# Altium PCB STM32MP25XXAK_LPDDR4.PcbDoc (part 6 of 6)
Units mm, origin at the board's own origin, x right, y up, seen from the top; angles counter-clockwise.
Board outline 120 x 79.6 mm, 4 copper layers (Top Layer, Signal Layer 1, Signal Layer 2, Bottom Layer), stack 1.614 mm thick; 190 components, 143 nets, 1208 pads, 757 vias.
Unrouted connection lines stored in the file: 3.
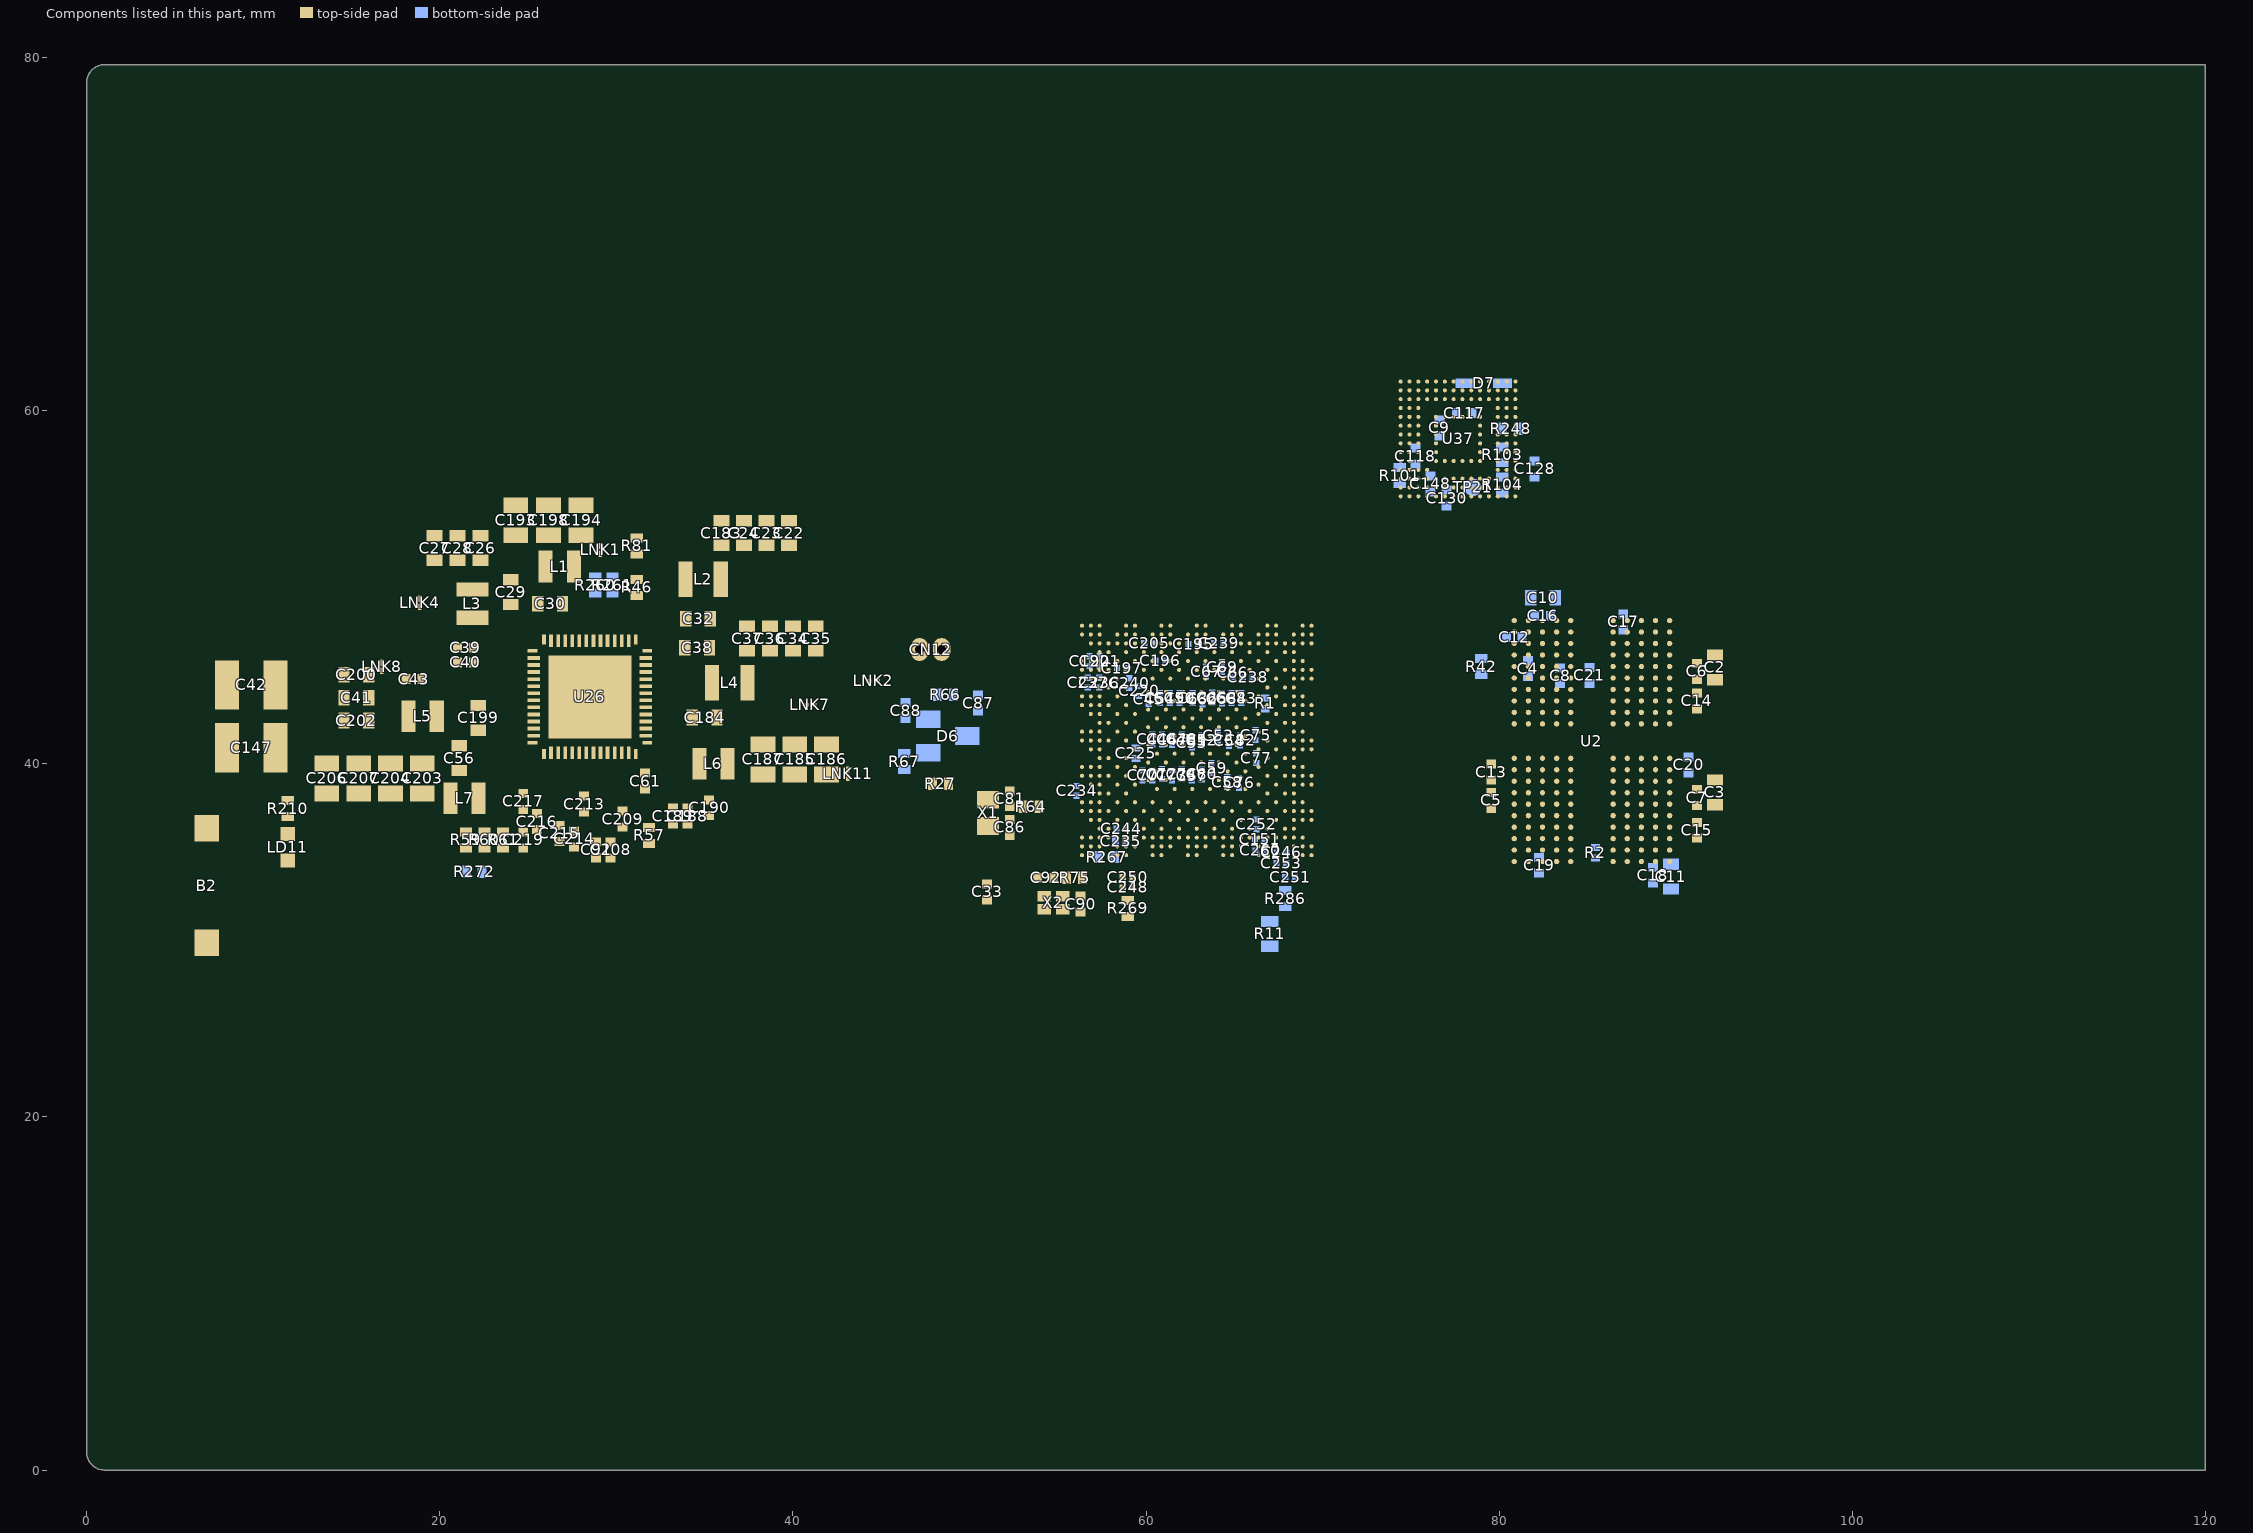
[diagram p8: the components of this part, seen from the top]

## Polygon pours and split planes (outlines as drawn) (continued)
5V_STLK on Signal Layer 2 "5V_STLK_L03_P051" (solid, pour order 51): 11.875,50.635 37.435,50.635 37.475,50.595 37.475,31.99 14.15,31.99 11.911,34.229
GND on Top Layer "GND_L01_P053" (solid, remove dead copper, pour order 53): 0,79.797 120,79.797 120,0.197 0,0.197
5V_STLK on Top Layer "5V_VIN" (solid, pour order 17): 22.51,43.62 23.167,43.62 23.35,43.803 23.35,43.463 22.867,42.98 22.51,42.98
VDDCPU on Top Layer "I_SENS_VDDCPU_P" (solid, pour order 18): 17.812,51.845 17.812,49.998 18.335,49.475 22.75,49.475 22.745,49.48 22.745,51.845
VDDCORE on Top Layer "I_SENS_VDDCORE_P" (solid, pour order 19): 41.007,52.695 43.889,49.813 43.889,43.586 43.894,43.581 42.44,43.581 41.895,44.126 41.895,48.827 41.522,49.2 39.875,49.2 35.515,49.2 35.505,52.695
VDDGPU on Top Layer "I_SENS_VDDGPU_P" (solid, pour order 20): 41.603,43.6 41.745,43.742 41.745,46.72 37.025,46.72 37.025,43.6
VDDIO on Top Layer "VDDIO" (solid, pour order 22): 30.995,46.77 30.995,48.568 31.53,49.103 31.712,49.103 32.15,48.664 32.15,48.123 31.45,47.423 31.45,46.77
3V3 on Top Layer "3V3" (solid, pour order 23): 12.887,36.548 13.062,36.373 19.41,36.373 20.712,37.675 20.712,38.523 13.088,38.523 12.887,38.323
NetL6_1 on Top Layer "NetL13_1" (solid, pour order 25): 33.375,41.863 33.838,41.4 35.1,41.4 35.1,39.1 35.098,39.098 33.801,39.098 33.801,40.722 33.375,41.148
GND on Signal Layer 1 "GND_L02_P000" (solid, remove dead copper, pour order 0): 0,79.6 120,79.6 120,0 0,0
GND on Bottom Layer "GND_L04_P055" (solid, remove dead copper, pour order 55): 0,79.6 120,79.6 120,0 0,0

## Other copper
Top Layer:
  rectangle net VDD2_DDR: 15.655,41.8 18.625,43.6
  region net NetL1_1: 27.572,49.875 ccw(c27.269,49.883) 27.478,50.102 27.455,50.125 27.455,50.187 27.526,50.194 ccw(c27.525,50.194) 27.525,50.195 27.675,50.075
  region net GND: 32.225,44 32.15,43.925 32.072,43.925 cw(c32.072,43.798) 32.162,43.888 32.188,43.862 ccw(c32.278,43.952) 32.278,43.825 32.947,43.825 cw(c32.947,43.698) 33.037,43.788 33.1,43.725 33.229,43.854 cw(c33.28,43.803) 33.28,43.875
  region net 5V_STLK: 33.605,47.78 33.43,47.672 ccw(c33.563,47.473) 33.394,47.642 33.353,47.601 ccw(c33.613,47.342) 33.246,47.342 33.246,47.326 ccw(c33.601,47.326) 33.35,47.075 33.35,45.539 33.349,45.538 33.347,45.551 32.876,45.08 32.27,45.08 32.27,45.345 32.506,45.345 32.98,45.819 32.98,48.347 33.308,48.67 34.325,48.67 34.325,47.78
  region net 5V_STLK: 25.23,48.524 25.131,48.425 24.775,48.425 cw(c24.775,48.775) 24.425,48.775 24.425,48.825 23.7,48.825 ccw(c23.7,48.75) 23.625,48.75 23.625,48.4 ccw(c23.827,48.397) 23.825,48.195 26.45,48.195 26.85,47.8 27.112,47.8 26.391,48.521 26.125,48.525
  region net GND: 24.9,47.685 24.807,47.685 ccw(c24.807,47.584) 24.735,47.655 24.455,47.375 ccw(c24.526,47.303) 24.425,47.303 24.425,46.975 24.925,46.975 cw(c25.323,46.982) 25.315,47.38 25.575,47.375 ccw(c25.575,47.423) 25.609,47.389 25.705,47.485
  pour cut-out: 56.125,47.825 69.49,47.825 69.49,34.475 69.524,34.441 56.137,34.441
  pour cut-out: 67.469,46.428 67.537,46.496 69.625,46.496 74.724,51.594 87.59,51.594 90.709,48.476 90.709,33.404 86.764,29.459 74.76,29.459 67.404,36.815
  pour cut-out: 74.075,62 81.35,62 81.35,54.798 74.075,54.798
  region net GND: 39,41.298 39,42.651 37.6,42.651 37.6,41.298
  region net GND: 40.8,41.298 40.8,42.651 39.4,42.651 39.4,41.298
  region net GND: 42.6,41.298 42.6,42.651 41.2,42.651 41.2,41.298
  region net GND: 36.502,42.375 36.307,42.18 36,42.18 36,43.07 36.475,43.07 36.67,42.875 36.67,42.375
  region net GND: 36.325,47.975 36.13,47.78 35.275,47.78 35.275,48.67 36.13,48.67 36.325,48.475
  region net GND: 24.275,51.373 24.47,51.178 24.47,50.723 23.58,50.723 23.58,51.178 23.775,51.373
  region net GND: 36.3,46.325 36.105,46.13 35.25,46.13 35.25,47.02 36.105,47.02 36.3,46.825
  region net GND: 37.65,48.825 37.845,48.63 37.845,47.775 36.955,47.775 36.955,48.63 37.15,48.825
  region net GND: 38.95,48.825 39.145,48.63 39.145,47.775 38.255,47.775 38.255,48.63 38.45,48.825
  region net GND: 40.25,48.825 40.445,48.63 40.445,47.775 39.555,47.775 39.555,48.63 39.75,48.825
  region net GND: 41.55,48.825 41.745,48.63 41.745,47.775 40.855,47.775 40.855,48.63 41.05,48.825
  region net VDDIO: 41.58,38.835 41.58,38.719 41.227,38.366 41.227,37.235 41.58,37.235 42.22,37.235 42.577,37.235 42.577,38.431 42.22,38.788 42.22,39.212 41.58,39.212
  region net 5V_STLK: 20.075,39.948 20.725,39.948 20.725,39.305 20.42,39.305 20.325,39.4 20.075,39.4
  region net GND: 19.025,40.798 19.175,40.648 19.175,40.398 18.3,40.398 18.3,40.823 18.525,41.048 19.025,41.048
  region net GND: 19.025,40.798 18.875,40.648 18.875,40.398 19.7,40.398 19.7,40.873 19.525,41.048 19.025,41.048
  region net GND: 17.225,40.798 17.375,40.648 17.375,40.398 16.5,40.398 16.5,40.823 16.725,41.048 17.225,41.048
  region net GND: 17.225,40.798 17.075,40.648 17.075,40.398 17.9,40.398 17.9,40.873 17.725,41.048 17.225,41.048
  region net GND: 15.425,40.798 15.575,40.648 15.575,40.398 14.7,40.398 14.7,40.823 14.925,41.048 15.425,41.048
  region net GND: 15.425,40.798 15.275,40.648 15.275,40.398 16.1,40.398 16.1,40.873 15.925,41.048 15.425,41.048
  region net GND: 13.625,40.798 13.775,40.648 13.775,40.398 12.9,40.398 12.9,40.823 13.125,41.048 13.625,41.048
  region net GND: 13.625,40.798 13.475,40.648 13.475,40.398 14.3,40.398 14.3,40.873 14.125,41.048 13.625,41.048
  region net GND: 20.075,40.75 20.12,40.705 20.68,40.705 20.725,40.75 20.725,41.345 20.42,41.345 20.325,41.25 20.075,41.25
  region net 5V_STLK: 23.25,43.62 23.25,43.4 22.83,42.98 21.15,42.98 21.15,43.525 21.4,43.525 21.495,43.62
  region net GND: 21.925,40.952 21.73,41.147 21.73,41.602 22.62,41.602 22.62,41.147 22.425,40.952
  region net 5V_STLK: 27.175,49.85 27.27,49.755 27.27,49.45 26.63,49.45 26.63,49.805 26.675,49.85 26.675,50.1 27.175,50.1
  region net GND: 24.6,49.323 24.797,49.52 25.25,49.52 25.25,48.63 24.793,48.63 24.6,48.823
  region net VDD2_DDR: 16.295,45.615 16.295,45.731 16.648,46.084 16.648,47.215 16.295,47.215 15.655,47.215 15.298,47.215 15.298,46.019 15.655,45.662 15.655,45.238 16.295,45.238
  region net GND: 13.6,42.7 13.795,42.895 14.575,42.895 14.575,42.005 13.795,42.005 13.6,42.2
  region net GND: 13.6,44 13.795,44.195 14.575,44.195 14.575,43.305 13.795,43.305 13.6,43.5
  region net GND: 13.6,45.3 13.795,45.495 14.575,45.495 14.575,44.605 13.795,44.605 13.6,44.8
  region net GND: 22.55,53.873 22.745,53.678 22.745,53.223 21.855,53.223 21.855,53.678 22.05,53.873
  region net GND: 21.25,53.873 21.445,53.678 21.445,53.223 20.555,53.223 20.555,53.678 20.75,53.873
  region net GND: 19.95,53.873 20.145,53.678 20.145,53.223 19.255,53.223 19.255,53.678 19.45,53.873
  region net GND: 40.025,54.825 40.22,54.63 40.22,53.775 39.33,53.775 39.33,54.63 39.525,54.825
  region net GND: 38.75,54.825 38.945,54.63 38.945,53.775 38.055,53.775 38.055,54.63 38.25,54.825
  region net GND: 37.475,54.825 37.67,54.63 37.67,53.775 36.78,53.775 36.78,54.63 36.975,54.825
  region net GND: 36.2,54.825 36.395,54.63 36.395,53.775 35.505,53.775 35.505,54.63 35.7,54.825
  region net GND: 24.325,55.425 24.475,55.275 24.475,55.025 23.6,55.025 23.6,55.45 23.825,55.675 24.325,55.675
  region net GND: 24.325,55.425 24.175,55.275 24.175,55.025 25,55.025 25,55.5 24.825,55.675 24.325,55.675
  region net GND: 26.175,55.425 26.025,55.275 26.025,55.025 26.85,55.025 26.85,55.5 26.675,55.675 26.175,55.675
  region net GND: 26.175,55.425 26.325,55.275 26.325,55.025 25.45,55.025 25.45,55.45 25.675,55.675 26.175,55.675
  region net GND: 28.025,55.425 27.875,55.275 27.875,55.025 28.7,55.025 28.7,55.5 28.525,55.675 28.025,55.675
  region net GND: 28.025,55.425 28.175,55.275 28.175,55.025 27.3,55.025 27.3,55.45 27.525,55.675 28.025,55.675
  region net NetL2_1: 33.65,50.225 33.65,49.45 33.515,49.45 32.825,48.76 32.825,46 32.35,45.525 32.025,45.525 32.025,45.675 32.114,45.675 32.27,45.831 32.45,46.011 32.505,46.094 32.525,46.191 32.525,46.742 32.57,46.85 32.57,47.01 32.509,47.157 32.397,47.269 32.27,47.322 32.25,47.325 32.25,51.102 32.598,51.45 33.515,51.45 33.65,51.315 33.65,51.2
  region net NetL4_1: 34.525,45.6 34.525,43.6 35.434,43.6 35.434,45.6
  region net NetL3_1: 22.575,46.975 21.388,48.162 22.488,48.162 22.575,48.075 26.18,48.075 26.42,47.835 24.79,47.835 24.768,47.833 24.748,47.829 24.72,47.82 24.701,47.813 24.675,47.799 24.658,47.788 24.635,47.769 24.341,47.474 24.322,47.452 24.311,47.435 24.302,47.419 24.29,47.39 24.286,47.378 24.281,47.362 24.277,47.342 24.276,47.327 24.274,47.313 24.274,46.975
  region net NetL3_1: 23.783,48.045 23.754,48.048 23.725,48.057 23.651,48.089 23.625,48.103 23.603,48.122 23.547,48.18 23.528,48.203 23.514,48.229 23.488,48.294 23.481,48.316 23.458,48.347 23.433,48.367 23.397,48.391 23.351,48.4 22.575,48.4 22.575,47.263
  region net NetL7_1: 22.875,38.35 22.575,38.05 21.8,38.05 21.8,38.95 22.875,40.02
  region net NetL1_1: 27.995,50.275 27.65,49.93 27.195,50.385 27.195,52.075 27.995,52.075
  region net NetL5_1: 19.425,43.948 19.65,44.173 21.025,44.173 21.025,42.323 20.502,41.8 20.225,41.8 19.425,41.8
  region net 5V_STLK: 34.125,45.25 33.55,44.675 32.875,44.675 32.875,44.85 33.4,45.375
  region net GND: 32.83,44.125 33.28,44.125 33.28,43.825 33.155,43.7 32.98,43.875 32.83,43.875
  region net 5V_STLK: 34.075,41.85 33.977,41.948 33.977,42.625 34.62,42.625 34.62,41.895 34.575,41.85 34.575,41.6 34.075,41.6
  region net 5V_STLK: 34.075,41.875 34.075,42.125 33.175,43.025 33.925,43.025 34.247,42.703
  region net 5V_STLK: 34.195,46.175 34.195,45.32 34.125,45.25 34,45.375 33.4,45.375 33.555,45.53 33.555,46.175
  pour cut-out: 42.6,39.925 37.63,39.925 37.63,40.575 42.6,40.575
  pour cut-out: 12.9,38.773 19.55,38.773 19.55,39.573 12.9,39.573
  region net 5V_STLK: 34.175,49 34.325,48.85 34.325,48.6 33.525,48.6 33.525,48.85 33.675,49 33.675,49.25 34.175,49.25
  region net 5V_STLK: 23.25,49.3 23.295,49.345 23.65,49.345 23.65,48.65 23.4,48.65 23.25,48.8 23,48.8 23,49.3
  region net GND: 31.921,46.656 32.02,46.656 32.049,46.653 32.078,46.644 32.104,46.63 32.127,46.612 32.145,46.589 32.17,46.555 32.17,46.23 32.27,46.23 32.27,46.93 31.921,46.93
  region net 5V_STLK: 27.425,47.725 27.4,47.725 26.63,48.495 26.63,48.825 27.27,48.825 27.27,48.605 27.4,48.475 27.4,47.925
  region net GND: 25.575,47.375 25.24,47.375 25.24,47.385
  pour cut-out: 35.9,41.075 35.1,41.075 35.1,38.975 35.9,38.975
  pour cut-out: 36.955,45.45 35.895,45.45 35.895,43.35 36.955,43.35
  pour cut-out: 35.445,51.25 34.385,51.25 34.385,49.15 35.445,49.15
  pour cut-out: 21.94,39.1 20.88,39.1 20.88,37 21.94,37
  pour cut-out: 27.155,52.225 26.435,52.225 26.435,50.125 27.155,50.125
  pour cut-out: 20.8,49.605 20.8,48.545 22.9,48.545 22.9,49.605
  pour cut-out: 21.5,40.6 19.55,40.6 19.55,40.025 21.5,40.025
  region net 5V_STLK: 22.875,40.9 22.716,40.9 22.689,40.874 22.648,40.842 22.602,40.815 22.554,40.795 22.503,40.782 22.451,40.775 22.425,40.774 21.925,40.774 21.899,40.775 21.847,40.782 21.796,40.795 21.748,40.815 21.702,40.842 21.661,40.874 21.65,40.45 21.65,39.945 21.375,39.945 21.375,39.305 21.83,39.305 22.599,40.074 22.599,40.184 22.603,40.227 22.613,40.27 22.629,40.31 22.652,40.346 22.68,40.379 23.038,40.737
  pour cut-out: 18.495,41.65 19.555,41.65 19.555,43.75 18.495,43.75
  pour cut-out: 35.855,40.875 37.63,40.875 37.63,39.6 36.3,39.6
  region net 5V_STLK: 34.125,47.35 34.275,47.2 34.275,46.95 33.475,46.95 33.475,47.2 33.625,47.35 33.625,47.6 34.125,47.6
Bottom Layer:
  pour cut-out: 66.146,48.032 66.498,48.032 73.987,48.032 76.358,45.662 88.892,45.662 88.892,38.218 85.406,34.732 68.413,34.732 66.15,36.923

## Silkscreen, mask and mechanical layers (free items; w line width, h text height)
Top Overlay:
  text "J" at 27.263,70.56 h15
Drill Drawing:
  drawing of 190 lines, arcs and shapes, not listed
  text "PCB SPECIFICATIONS :" at -27.02,127.275 h3
  text "A.   MATERIAL :" at -27.02,123.275 h3
  text "FR-4" at 11.48,123.275 h3
  text "TG-170" at 27.98,123.275 h3
  text "X  TG-150" at 46.23,123.275 h3
  text "TG-140" at 62.23,123.275 h3
  text "B.   MATERIAL FAMILY :" at -27.02,120.275 h3
  text "N/A" at 11.48,120.275 h3
  text "C.   SOLDERMASK COLOR :" at -27.02,117.275 h3
  text "GREEN" at 11.48,117.275 h3
  text "X  BLUE" at 27.98,117.275 h3
  text "RED" at 46.23,117.275 h3
  text "BLACK" at 62.23,117.275 h3
  text "D.   SILKSCREEN COLOR :" at -27.02,114.275 h3
  text "X  WHITE" at 11.48,114.275 h3
  text "YELLOW" at 27.98,114.275 h3
  text "BLACK" at 46.23,114.275 h3
  text "PCB : TYPE 4" at 187.138,113.471 h3
  text "Layer" at 122.2,111.475 h2
  text "Name" at 130.564,111.475 h2
  text "Material" at 146.732,111.475 h2
  text "Thickness" at 161.266,111.475 h2
  text "Constant" at 173.202,111.475 h2
  text "E.   SURFACE FINISH :" at -27.02,111.275 h3
  text "X  ENIG" at 11.48,111.275 h3
  text "IMMERSION SILVER" at 27.98,111.275 h3
  text "IMMERSION TIN" at 62.23,111.275 h3
  text "HASL" at 11.48,108.275 h3
  text "HASL (PB-FREE)" at 27.98,108.275 h3
  text "GOLDEN FINGER" at 62.23,108.275 h3
  text "ASPECT-RATIO, AXE Z :" at 187.138,107.971 h3
  text "Top Overlay" at 130.564,107.475 h2
  text "F.   IMPEDANCE CONTROL :" at -27.02,105.275 h3
  text "NO" at 11.48,105.275 h3
  text "X  YES" at 27.98,105.275 h3
  text "Top Solder" at 130.564,103.475 h2
  text "Solder Resist" at 146.732,103.475 h2
  text "0.025mm" at 161.266,103.475 h2
  text "3.5" at 173.202,103.475 h2
  text "G.   THROUGH VIA :" at -27.02,102.275 h3
  text "PLUG THE VIAS WHICH ARE COVERED WITH SOLDERMASK ONE OR TWO SIDE." at 11.48,102.275 h3
  text "6 :1  to  8 :1 / LEVEL \"B\"" at 187.157,101.224 h3
  text "1" at 122.2,99.475 h2
  text "Top Layer" at 130.564,99.475 h2
  text "0.037mm" at 161.266,99.475 h2
  text "PLUG MATERIAL :" at 11.48,99.275 h3
  text "X  SOLDERMASK" at 36.98,99.275 h3
  text "NON-CONDUCTIVE EPOXY." at 62.23,99.275 h3
  text "H.   STACK-UP :" at -27.02,96.275 h3
  text "SEE LAYER STACK-UP SEQUENCE FOR OVERALL THICKNESS." at 11.48,96.275 h3
  text "Dielectric 1" at 130.564,95.475 h2
  text "0.070mm" at 161.266,95.475 h2
  text "3.8" at 173.202,95.475 h2
  text "2" at 122.198,91.475 h2
  text "Signal Layer 1" at 130.564,91.475 h2
  text "0.035mm" at 161.266,91.475 h2
  text "MINIMUN PARAMETERS" at 187.25,89.695 h3
  text "Dielectric 2" at 130.564,87.475 h2
  text "1.330mm" at 161.266,87.475 h2
  text "4.3" at 173.202,87.475 h2
  text "DEFAULT" at 187.25,84.195 h3
  text "3" at 122.2,83.475 h2
  text "Signal Layer 2" at 130.564,83.475 h2
  text "0.035mm" at 161.266,83.475 h2
  text "Dielectric 3" at 130.564,79.475 h2
  text "0.070mm" at 161.266,79.475 h2
  text "3.8" at 173.202,79.475 h2
  text "TRACKS : 0.100mm           / GAPS : 0.100mm" at 187.25,78.445 h3
  text "4" at 122.2,75.475 h2
  text "Bottom Layer" at 130.564,75.475 h2
  text "0.037mm" at 161.266,75.475 h2
  text "BGA :" at 187.225,73.62 h3
  text "Bottom Solder" at 130.564,71.475 h2
  text "Solder Resist" at 146.732,71.475 h2
  text "0.025mm" at 161.266,71.475 h2
  text "3.5" at 173.202,71.475 h2
  text "TRACKS : 0.090mm           / GAPS : 0.090mm" at 187.225,67.87 h3
  text "Bottom Overlay" at 130.564,67.475 h2
  text "Symbol" at 108.265,-14.395 h2.4
  text "Count" at 117.653,-14.395 h2.4
  text "Hole Size" at 127.378,-14.395 h2.4
  text "Plated" at 138.78,-14.395 h2.4
  text "Hole Type" at 147.023,-14.395 h2.4
  text "Drill Layer Pair" at 159.023,-14.395 h2.4
  text "Via/Pad" at 181.752,-14.395 h2.4
  text "Pad Shape" at 191.584,-14.395 h2.4
  text "Hole Length" at 204.429,-14.395 h2.4
  text "480" at 117.653,-18.533 h2
  text "0.200mm" at 127.378,-18.533 h2
  text "PTH" at 138.78,-18.533 h2
  text "Round" at 147.023,-18.533 h2
  text "Top Layer - Bottom Layer" at 159.023,-18.533 h2
  text "Via" at 181.752,-18.533 h2
  text "Rounded" at 191.584,-18.533 h2
  text "-" at 204.429,-18.533 h2
  text "D" at 107.477,-18.786 h1.84
  text "277" at 117.653,-22.67 h2
  text "0.350mm" at 127.378,-22.67 h2
  text "PTH" at 138.78,-22.67 h2
  text "Round" at 147.023,-22.67 h2
  text "Top Layer - Bottom Layer" at 159.023,-22.67 h2
  text "Via" at 181.752,-22.67 h2
  text "Rounded" at 191.584,-22.67 h2
  text "-" at 204.429,-22.67 h2
  text "C" at 107.477,-22.924 h1.84
  text "2" at 117.653,-26.807 h2
  text "0.500mm" at 127.378,-26.807 h2
  text "PTH" at 138.78,-26.807 h2
  text "Round" at 147.023,-26.807 h2
  text "Top Layer - Bottom Layer" at 159.023,-26.807 h2
  text "Pad" at 181.752,-26.807 h2
  text "Rounded" at 191.584,-26.807 h2
  text "-" at 204.429,-26.807 h2
  text "759 Total" at 117.653,-30.945 h2

## Text inside footprints (layer, text, board x,y; h text height)
CN12: Bottom Assembly "2" at 46.925,46.075 h1; Bottom Assembly "1" at 48.925,46.075 h1; Bottom Overlay "1" at 50.4,45.275 h1.5
D7: Bottom Assembly "K" at 78.1,61.163 h1.2
LD11: Top Assembly "K" at 11.136,34.372 h0.75 r270
U1: Top Assembly "A1" at 56.125,47.625 h0.4
U2: Top Assembly "A5" at 86.785,34.64 h0.4 r180; Top Assembly "AB12" at 81.585,48.29 h0.4 r180; Top Assembly "AB8" at 84.56,48.29 h0.4 r180; Top Assembly "AB5" at 86.96,48.29 h0.4 r180; Top Assembly "AB1" at 90.085,48.29 h0.4 r180; Top Assembly "N12" at 81.335,42.44 h0.4 r180; Top Assembly "N8" at 84.385,42.44 h0.4 r180; Top Assembly "N5" at 86.785,42.44 h0.4 r180; Top Assembly "N1" at 89.91,42.44 h0.4 r180; Top Assembly "K12" at 81.31,40.49 h0.4 r180; Top Assembly "K8" at 84.385,40.49 h0.4 r180; Top Assembly "K5" at 86.76,40.49 h0.4 r180; Top Assembly "K1" at 89.885,40.49 h0.4 r180; Top Assembly "A12" at 81.335,34.64 h0.4 r180; Top Assembly "A8" at 84.385,34.64 h0.4 r180; Top Assembly "A1" at 89.91,34.64 h0.4 r180
U26: Top Assembly "56" at 25.625,40.925 h0.5 r90; Top Assembly "43" at 25.625,46.15 h0.5 r90; Top Assembly "42" at 26.05,46.55 h0.5 r90; Top Assembly "29" at 31.25,46.525 h0.5 r90; Top Assembly "28" at 31.7,46.15 h0.5 r90; Top Assembly "15" at 31.675,40.95 h0.5 r90; Top Assembly "14" at 31.25,40.625 h0.5 r90; Top Assembly "1" at 26.05,40.7 h0.5 r90; Top Overlay "1" at 24.911,39.137 h1.5
U37: Top Assembly "A1" at 74.175,55.005 h0.5; Top Overlay "A1" at 73.125,53.905 h1.5
X2: Top Assembly "4" at 55.334,31.96 h0.45 r180; Top Assembly "3" at 54.384,31.96 h0.45 r180; Top Assembly "2" at 54.384,32.61 h0.45 r180; Top Assembly "1" at 55.284,32.61 h0.45 r180